# Altium PCB RT5728MainDriver20181215V0.01.PcbDoc (part 1 of 2)
Units mil, origin at the board's own origin, x right, y up, seen from the top; angles counter-clockwise.
Board outline 3464.57 x 2755.91 mil, 2 copper layers (Top Layer, Bottom Layer); 138 components, 73 nets, 341 pads, 541 vias.
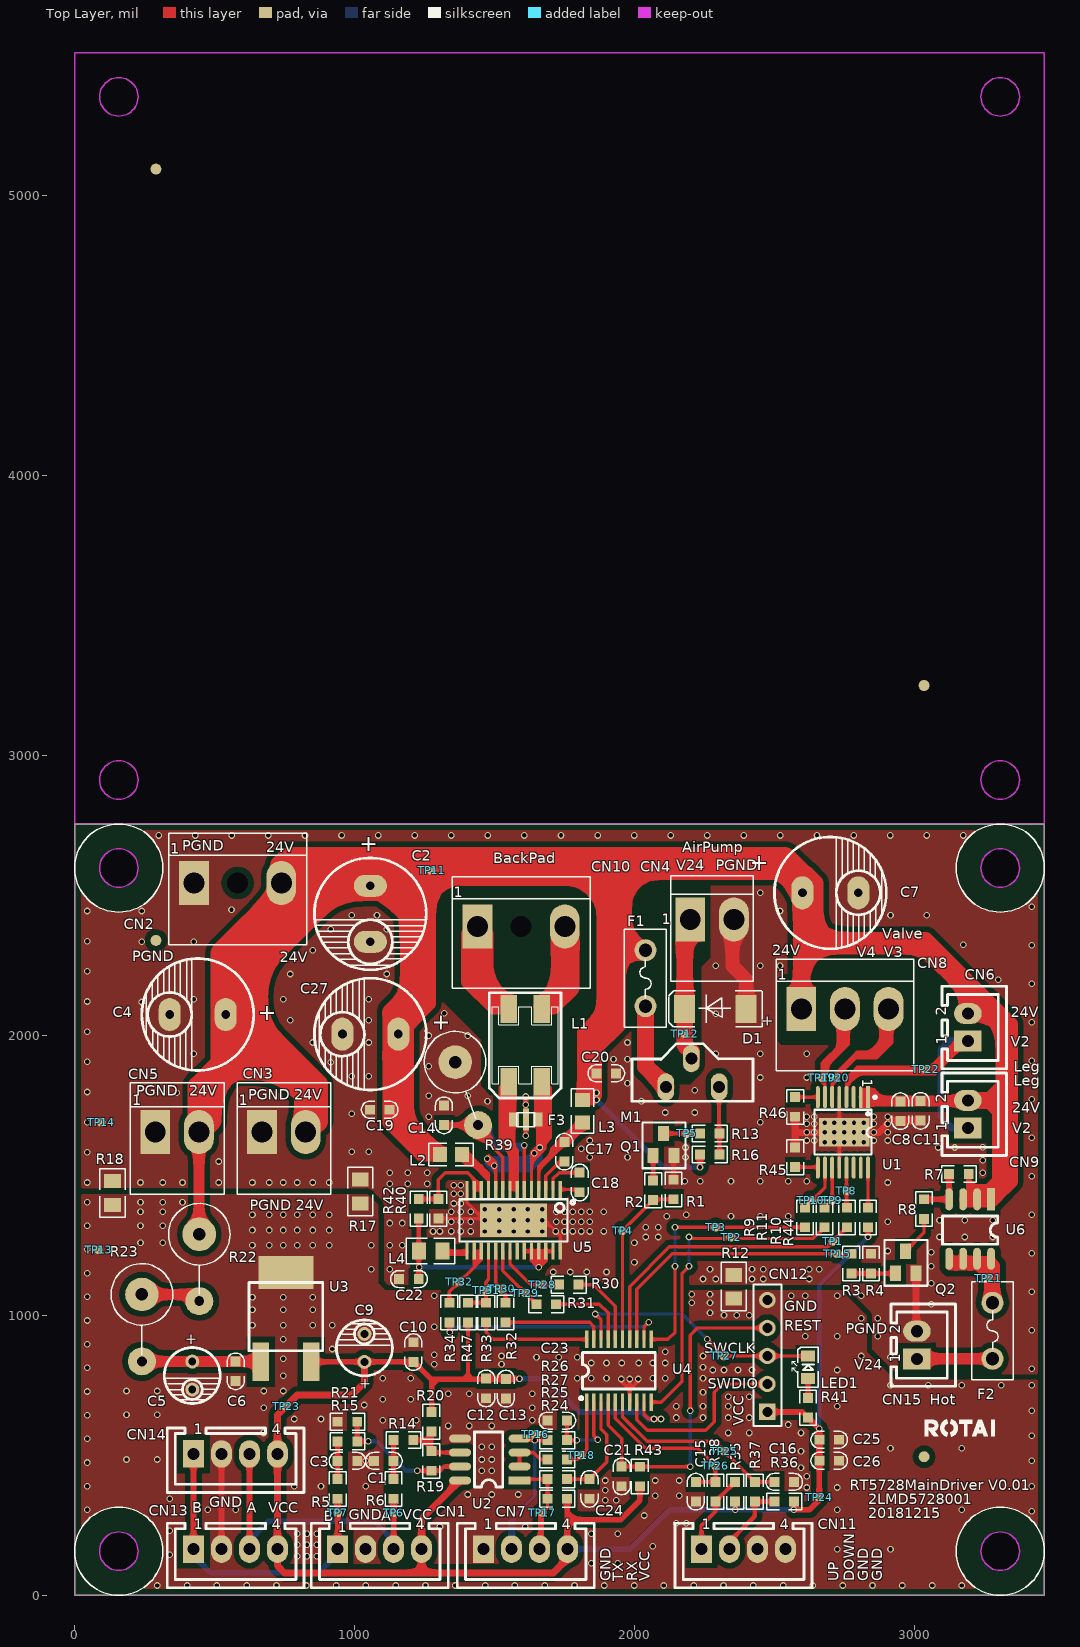
[diagram p0: Top Layer view]
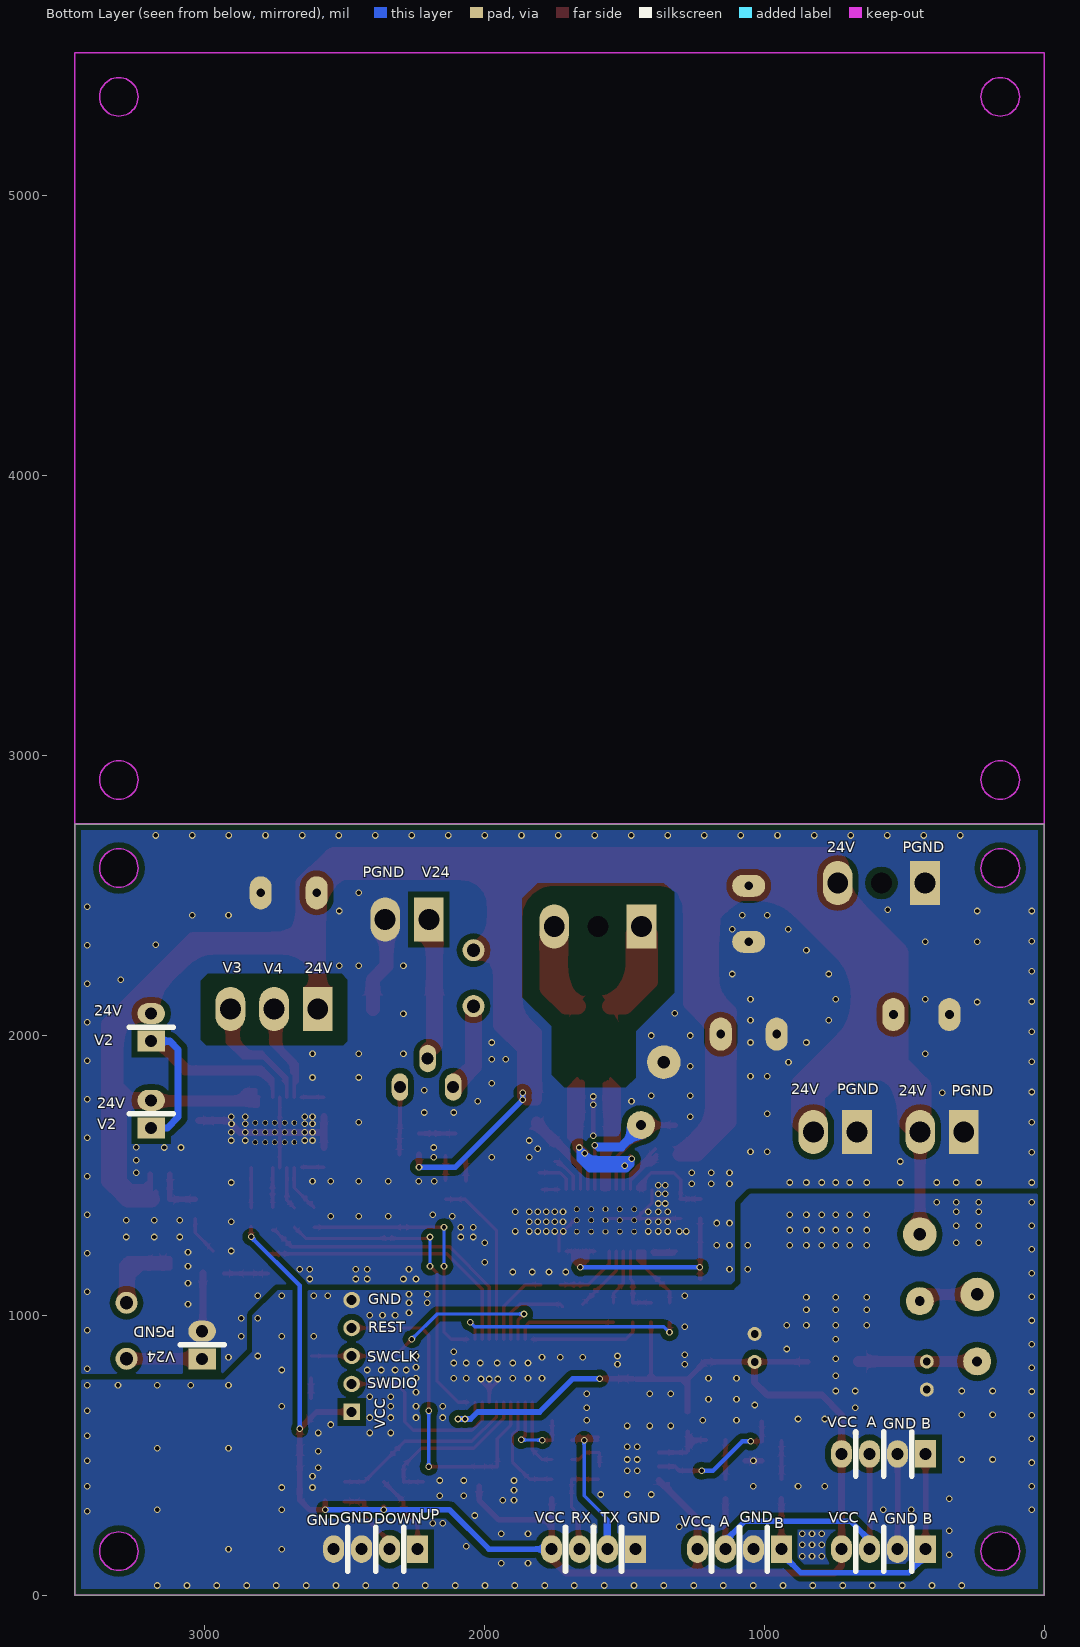
[diagram p1: Bottom Layer view, seen from below]

## Layer stack, top to bottom
Top Solder: solder mask 0.4, Solder Resist, Dk 3.5
Top Layer: signal copper 1.4
Dielectric 1: dielectric 12.6, FR-4, Dk 4.8
Bottom Layer: signal copper 1.4
Bottom Solder: solder mask 0.4, Solder Resist, Dk 3.5

## Board outline
0,0 3464.57,0 3464.57,2755.91 0,2755.91
cut-out: 157.48,2529.53 cw(c157.48,2598.43) 88.58,2598.43 cw(c157.48,2598.43) 157.48,2667.32 cw(c157.48,2598.43) 226.38,2598.43 cw(c157.48,2598.43)
cut-out: 3238.19,2598.43 ccw(c3307.09,2598.43) 3307.09,2529.53 ccw(c3307.09,2598.43) 3375.98,2598.43 ccw(c3307.09,2598.43) 3307.09,2667.32 ccw(c3307.09,2598.43)
cut-out: 3238.19,157.48 ccw(c3307.09,157.48) 3307.09,88.58 ccw(c3307.09,157.48) 3375.98,157.48 ccw(c3307.09,157.48) 3307.09,226.38 ccw(c3307.09,157.48)
cut-out: 88.58,157.48 ccw(c157.48,157.48) 157.48,88.58 ccw(c157.48,157.48) 226.38,157.48 ccw(c157.48,157.48) 157.48,226.38 ccw(c157.48,157.48)

## Design rules (kind name [scope] priority, off if disabled: settings)
Clearance PUTONG [INPolygon] p1: gap=20
Clearance ALL [All] p2: gap=10
ComponentClearance [(HasFootprint('Test Point'))] p1: gap=0 collisioncheckmode=3 verticalgap=0 showdistances=FALSE
ComponentClearance ComponentClearanceALL [All] p2: gap=10 collisioncheckmode=3 verticalgap=10 showdistances=FALSE
HoleToHoleClearance [IsVia] p1: gap=9 allowstackedmicrovias=TRUE
HoleToHoleClearance allll [All] p2: gap=10 allowstackedmicrovias=TRUE
MinimumSolderMaskSliver MinimumSolderMaskSliver_4 [InComponent('F3')] p1: minsoldermaskwidth=2
MinimumSolderMaskSliver MinimumSolderMaskSliver_3 [(HasFootprint('Test Point'))] p2: minsoldermaskwidth=2
MinimumSolderMaskSliver MinimumSolderMaskSliver_2 [InComponent('U1')] p3: minsoldermaskwidth=2
MinimumSolderMaskSliver MinimumSolderMaskSliver_1 [InComponent('U4')] p4: minsoldermaskwidth=5
MinimumSolderMaskSliver [InComponent('U5')] p5: minsoldermaskwidth=5
MinimumSolderMaskSliver MinimumSolderMaskSliverALL [All] p6: minsoldermaskwidth=10
PolygonConnect [All] p1: connectstyle=Direct reliefconductorwidth=10 reliefentries=4 polygonreliefangle="90 Angle" airgapwidth=10
RoutingVias [All] p1: holewidth=28 width=50 viastyle="Through Hole" minholewidth=28 minwidth=50 maxholewidth=28 maxwidth=50
SilkToSilkClearance [All] p1: silktosilkclearance=0
SilkToSolderMaskClearance [IsPad] p1: minsilkscreentomaskgap=0 clearancetoexposedcopper=TRUE
SolderMaskExpansion [All] p1: expansion=4
UnpouredPolygon [All] p1: allowunpoured=FALSE
Width [All] p1: maxlimit=100 minlimit=9 preferedwidth=10
24 further rules are at their usual default settings.

## Components (designator, comment, footprint, x,y, rotation, side; value= is the part's Value field where it differs from the comment)
C1 "100pF/10%/X7R/0603" 0603C 1139.37,480 r180 top
C2 "470uF/50V" RB.2/.4 1056.26,2535 r270 top
C3 "100pF/10%/X7R/0603" 0603C 1009.37,480 r180 top
C4 "470uF/50V" RB.2/.4 539.37,2075 r180 top
C5 "100uF/16V" RB.1/.2 420,835 r270 top
C6 "100nF/0603" 0603C 575,835 r270 top
C7 "470uF/50V" RB.2/.4 2600,2510 r0 top
C8 "100nF/0603" 0603C 2949.95,1764.85 r270 top
C9 "100uF/16V" RB.1/.2 1035,834 r90 top
C10 "100nF/0603" 0603C 1210,834 r90 top
C11 "100nF/0603" 0603C 3022.16,1766.11 r270 top
C12 "10uF/0603" 0603C 1470,704 r90 top
C13 "100nF/0603" 0603C 1540.75,773.5 r270 top
C14 "10uF/0603" 0603C 1319.37,1680 r90 top
C15 "10nF/0603" 0603C 2219.37,335 r90 top
C16 "10nF/0603" 0603C 2570,405 r180 top
C17 "100nF/0603" 0603C 1749.37,1620 r270 top
C18 "103/0603" 0603C 1804.37,1510 r270 top
C19 "100nF/0603" 0603C 1124.37,1735 r180 top
C20 "100nF/0603" 0603C 1864.37,1865 r0 top
C21 "10uF/0603" 0603C 1954.37,389.56 r90 top
C22 "1uF/0603" 0603C 1229.37,1130 r180 top
C23 "30pF/0603" 0603C 1759.37,624.25 r180 top
C24 "30pF/0603" 0603C 1839.37,345 r90 top
C25 "100nF/0603" 0603C 2660.49,555.75 r0 top
C26 "100nF/0603" 0603C 2660.49,480.75 r0 top
C27 "470uF/50V" RB.2/.4 1156.26,2005 r180 top
CN1 "485通讯" HA-4A 939.37,165 r0 top
CN2 "24V输入" "VH-3A2Z - red" 426.26,2545 r0 top
CN3 "24V输出" "VH-2 - RED" 669.37,1655 r0 top
CN4 "气泵(白色)" VH-2 2199.37,2415 r0 top
CN5 "24V输出" "VH-2 - RED" 287.8,1655 r0 top
CN6 "小腿震动" HA-2A 3191.26,1980 r90 top
CN7 "串口通讯" HA-4A 1460.91,165 r0 top
CN8 "气阀" "VH-3 - white" 2596.26,2095 r0 top locked
CN9 "小腿震动" HA-2A 3191.26,1670 r90 top
CN10 "电动缸" "VH-3A2Z - white" 1439.37,2390 r0 top
CN11 "电动缸限位" HA-4A 2239.37,165 r0 top
CN12 "烧录" SIP5 2475,655 r90 top
CN13 "485通讯" HA-4A 424.37,165 r0 top
CN14 "485通讯" HA-4A 424.37,505 r0 top
CN15 "加热" HA-2A 3009.37,845 r90 top
D1 "M7A/A-SMA" A-SMA 2399.37,2095 r180 top
F1 "PTCKT30-1350b-F" FRAD0.2 2039.37,2305 r270 top
F2 "PTCKT30-1350b-F" FRAD0.2 3279.37,845 r90 top
F3 "101X15W103MV4T" 0805-X2Y 1569.37,1700 r0 top
L1 "TLDCM7161-2-501TF" L-TLDCM7161 1609.37,1965 r90 top
L2 "600A50T" 0805L 1384.37,1575 r180 top
L3 "600A50T" 0805L 1814.37,1690 r90 top
L4 "FBM-10-201209-751T" 0805 1314.37,1230 r180 top
LED1 "红色/0805" LED0805 2620,815 r90 top
M1 "IRF9530" TO-220AB 2204.37,1665 r180 top locked
Q1 "MMBT3904" SOT-23B 2104.37,1650 r0 top locked
Q2 "MMBT3904" SOT-23B 2969.37,1230 r0 top
R1 "33KΩ/0603/5%" 0603 2139.37,1415 r90 top
R2 "1KΩ/0603/5%" 0603 2066.73,1412.36 r90 top
R3 "1KΩ/0603/5%" 0603 2775,1220 r270 top
R4 "33K/0603" 0603 2845,1220 r270 top
R5 "10Ω/5%/0603" 0603 939.37,345 r90 top
R6 "10Ω/5%/0603" 0603 1139.37,345 r90 top
R7 "33K/0603" 0603 3124.37,1505 r0 top
R8 "33K/0603" 0603 3034.37,1345 r90 top
R9 "1KΩ/0603/5%" 0603 2609.37,1315 r90 top
R10 "1KΩ/0603/5%" 0603 2759.37,1315 r90 top
R11 "1KΩ/0603/5%" 0603 2679.37,1315 r90 top
R12 "0Ω/0805" 0805 2355,1060 r90 top
R13 "4.7KΩ/0603/5%" 0603 2304.37,1650 r180 top
R14 "10Ω/5%/0603" 0603 1139.37,555 r0 top
R15 "10Ω/5%/0603" 0603 939.37,550 r0 top
R16 "4.7KΩ/0603/5%" 0603 2304.37,1575 r180 top
R17 "0Ω/0805" 0805 1020,1400 r90 top
R18 "0Ω/0805" 0805 135,1395 r90 top
R19 "100Ω/5%/0603" 0603 1274.37,445 r90 top
R20 "33KΩ/0603/5%" 0603 1274.37,585 r90 top
R21 "33KΩ/0603/5%" 0603 939.37,620 r0 top
R22 "47Ω/2W" 2W-SMALL 445,1290 r270 top
R23 "47Ω/2W" 2W-SMALL 240,1075 r270 top
R24 "10KΩ/0603/5%" 0603 1759.37,345 r180 top
R25 "1KΩ/0603/5%" 0603 1689.37,415 r0 top
R26 "1KΩ/0603/5%" 0603 1688.93,554.25 r0 top
R27 "1KΩ/0603/5%" 0603 1689.37,485 r0 top
R30 "1KΩ/0603/5%" 0603 1730,1110 r0 top
R31 "1KΩ/0603/5%" 0603 1650,1040 r0 top
R32 "1KΩ/0603/5%" 0603 1539.37,1045 r270 top
R33 "1KΩ/0603/5%" 0603 1470.12,1045.44 r270 top
R34 "1KΩ/0603/5%" 0603 1338.73,1044.96 r270 top
R35 "33K/0603" 0603 2360,405 r270 top
R36 "33K/0603" 0603 2500,335 r0 top
R37 "1KΩ/0603/5%" 0603 2430,335 r90 top
R38 "1KΩ/0603/5%" 0603 2289.37,335 r90 top
R39 "0.1Ω/2W" 2W-SMALL 1359.37,1905 r290 top
R40 "33KΩ/0603/5%" 0603 1299.37,1346.1 r90 top
R41 "10KΩ/0603/5%" 0603 2620,635 r90 top
R42 "10KΩ/0603/5%" 0603 1229.37,1346.1 r90 top
R43 "10KΩ/0603/5%" 0603 2019.37,389.56 r90 top
R44 "10KΩ/0603/5%" 0603 2834.37,1385 r270 top
R45 "10KΩ/0603/5%" 0603 2574.37,1600 r270 top
R46 "10KΩ/0603/5%" 0603 2574.37,1710 r90 top
R47 "10KΩ/0603/5%" 0603 1405,1045 r270 top
TP1 "TP" "Test Point" 2709.37,1265 r90 top
TP2 "TP" "Test Point" 2345,1280 r90 top
TP3 "TP" "Test Point" 2290,1315 r90 top
TP4 "TP" "Test Point" 1957.32,1302.95 r90 top
TP5 "TP" "Test Point" 2186.37,1650 r90 top
TP6 "TP" "Test Point" 1140,295 r90 top
TP7 "TP" "Test Point" 939.37,295 r90 top
TP8 "TP" "Test Point" 2757.6,1445 r90 top
TP9 "TP" "Test Point" 2706.42,1412.05 r90 top
TP10 "TP" "Test Point" 2630,1412 r90 top
TP11 "TP" "Test Point" 1275,2590 r90 top
TP12 "TP" "Test Point" 2179.37,2007 r90 top
TP13 "TP" "Test Point" 85,1235 r90 top
TP14 "TP" "Test Point" 95,1690 r90 top
TP15 "TP" "Test Point" 2725,1220 r90 top
TP16 "TP" "Test Point" 1645,575 r90 top
TP17 "TP" "Test Point" 1670,295.63 r90 top
TP18 "TP" "Test Point" 1810,500 r90 top
TP19 "TP" "Test Point" 2670,1850 r90 top
TP20 "TP" "Test Point" 2720,1848.58 r90 top
TP21 "TP" "Test Point" 3264.37,1132.4 r90 top
TP22 "TP" "Test Point" 3040,1880 r90 top
TP23 "TP" "Test Point" 755,675 r90 top
TP24 "TP" "Test Point" 2660,350 r90 top
TP25 "TP" "Test Point" 2320,515 r90 top
TP26 "TP" "Test Point" 2289.37,463 r90 top
TP27 "TP" "Test Point" 2320,855 r90 top
TP28 "TP" "Test Point" 1670,1110 r90 top
TP29 "TP" "Test Point" 1610,1080 r90 top
TP30 "TP" "Test Point" 1525,1094.37 r90 top
TP31 "TP" "Test Point" 1470,1090 r90 top
TP32 "TP" "Test Point" 1374.37,1120 r90 top
U1 "PWM输入4通道低侧驱动器DRV8803" PWP16 2834.37,1780 r270 top locked
U2 "MAX3085E" SOP8 1589.37,410 r180 top
U3 "LM7805" TO-252 665,834 r0 top
U4 "N76E003" TSSOP20 1829.37,690 r90 top
U5 "电流控制单H桥有刷马达驱动集成电路DRV8840" PWP28 1734.37,1450 r180 top
U6 "CJQ60Q05" SOP8 3274.37,1415 r270 top
? "LOGO" LOGO 3035,570 r0 top

## Footprints (in the part's own frame and the unit in brackets; to place one, negate y for a bottom-side part, rotate by r counter-clockwise, add the part's x,y. Pads: shape width x height; smd on the part's side, far side on the other; paste and mask are expansions set on the pad)
2W-SMALL [mil]
  round 120 hole 45: 1(0,0)
  round 100 hole 35.43: 2(239.21,0)
  silkscreen extent -110,-110 215,110, body extent -90,-98 222,99, height 799
0603 [mil]
  rect 35x35.43 smd: 1(0,0) 2(70,0)
  silkscreen extent -27,-30 97,30, body extent 2,-16 69,16, height 22
0603C [mm]
  rect 0.9x0.9 smd: 1(0,0) 2(1.778,0)
  silkscreen extent -0.77,-0.77 2.55,0.77, body extent 0.11,-0.4 1.71,0.4, height 0.3
0805 [mil]
  rect 50x60 smd: 1(0,0) 2(85,0)
  silkscreen extent -44,-45 129,45, body extent -3,-27 87,27, height 30
0805-X2Y [mm]
  rect 0.89x1.27 smd: 1(0,0) 2(2.16,0)
  rect 0.55x2.03 smd: 3(1.08,0)
  silkscreen extent 0.25,-0.64 1.91,0.64, body extent 0.08,-0.63 2.08,0.63, height 0.78
0805L [mil]
  rect 50x55 smd: 1(0,0) 2(80,0)
  silkscreen extent -40,-40 120,40, body extent 1,-24 79,24, height 32
A-SMA [mil]
  rect 75x100 smd: A(0,0) K(220,0)
  silkscreen extent -58,-64 276,64, body extent 8,-51 212,51, height 95
FRAD0.2 [mm]
  round 2 hole 1.2: 1(0,0) 2(5.08,0)
  silkscreen extent -1.9,-1.91 6.99,1.9, body extent -1.16,-0.89 6.24,0.81, height 16.5
HA-2A [mm]
  rect 1.905x2.5 hole 1.092: 1(0,0)
  oval 1.905x2.5 hole 1.092: 2(2.5,0)
  silkscreen extent -2.5,-3.5 4.98,2.35, body extent -2.45,-3.33 4.95,2.42, height 7
HA-4A [mm]
  rect 1.905x2.5 hole 1.092: 1(0,0)
  oval 1.905x2.5 hole 1.092: 2(2.54,0) 3(5.08,0) 4(7.62,0)
  silkscreen extent -2.39,-3.5 10.04,2.35, body extent -2.4,-3.33 10,2.43, height 7
L-TLDCM7161 [mm]
  rect 2.5x1.5 smd: 1(-3.3,-1.5) 2(-3.3,1.5) 3(3.3,1.5) 4(3.3,-1.5)
  silkscreen extent -4.78,-3.25 4.78,3.25, body extent -3.5,-3 3.5,3, height 3.5
LED0805 [mil]
  rect 40x50 smd: A(-40,0) K(40,0)
  silkscreen extent -72,-36 72,57, body extent -40,-25 40,25, height 43
LOGO [mil]
  silkscreen extent 2,-1 252,58
PWP16 [mm]
  rect 2x0.35 smd: 1(0,0)
  oval 2x0.35 smd: 2(0,-0.65) 3(0,-1.3) 4(0,-1.95) 5(0,-2.6) 6(0,-3.25) 7(0,-3.9) 8(0,-4.55) 9(6.4,-4.55) 10(6.4,-3.9) 11(6.4,-3.25) 12(6.4,-2.6) 13(6.4,-1.95) 14(6.4,-1.3) 15(6.4,-0.65) 16(6.4,0)
  rect 2.6x4.572 smd: 12(3.2,-2.159)
  silkscreen extent -0.13,-4.86 5.21,0.76, body extent -0.7,-5.38 7.1,0.82
PWP28 [mm]
  rect 0.3x1.55 smd: 1(0,0) 2(0.65,0) 3(1.3,0) 4(1.95,0) 5(2.6,0) 6(3.25,0) 7(3.9,0) 8(4.55,0) 9(5.2,0) 10(5.85,0) 11(6.5,0) 12(7.15,0) 13(7.8,0) 14(8.45,0) 15(8.45,5.6) 16(7.8,5.6) 17(7.15,5.6) 18(6.5,5.6) 19(5.85,5.6) 20(5.2,5.6) 21(4.55,5.6) 22(3.9,5.6) 23(3.25,5.6) 24(2.6,5.6) 25(1.95,5.6) 26(1.3,5.6) 27(0.65,5.6) 28(0,5.6)
  rect 6.096x3.048 smd: 28(4.225,2.8)
  silkscreen extent -1.33,0.89 9.13,4.71, body extent -0.67,-0.51 9.12,6.11, height 1.2
RB.1/.2 [mil]
  round 50 hole 28: 1(0,0) 2(100,0)
  silkscreen extent -50,-100 150,100, body extent -49,-99 147,97, height 433
RB.2/.4 [mm]
  oval 2x3 hole 0.8: 1(0,0) 2(5.08,0)
  silkscreen extent -2.54,-5.08 7.62,5.08, body extent -2.41,-5.08 7.64,4.97, height 20.53
SIP5 [mm]
  rect 1.5x1.5 hole 0.9: 1(0,0)
  round 1.5 hole 0.9: 2(2.54,0) 3(5.08,0) 4(7.62,0) 5(10.16,0)
  silkscreen extent -1.27,-1.27 11.56,1.27, body extent -1.22,-1.46 11.48,1.46, height 8.51
SOP8 [mm]
  rect 2x0.7 smd: 1(0,0)
  oval 2x0.7 smd: 2(0,-1.27) 3(0,-2.54) 4(0,-3.81) 5(5.4,-3.81) 6(5.4,-2.54) 7(5.4,-1.27) 8(5.4,0)
  silkscreen extent 1.52,-4.42 4.09,0.6, body extent -0.32,-4.41 5.72,0.61, height 1.6
SOT-23B [mm]
  rect 1x1.4 smd: B(-0.95,-2) C(0,0) E(0.95,-2)
  silkscreen extent -1.93,-3.15 1.98,0.99, body extent -1.5,-2.34 1.5,0.16, height 1.05
"Test Point" [mm]
  round 0.8 smd: 1(0,0)
TO-220AB [mil]
  oval 59.05x98.42 hole 43: D(1,-253) S(92,-151)
  oval 59.06x98.42 hole 43: G(-98,-151)
  silkscreen extent -220,-306 214,-100, body extent -208,-359 202,-33, height 98
TO-252 [mm]
  rect 1.524x3.5 smd: 1(0,0) 3(4.57,0)
  rect 5x3 smd: 2(2.27,8.125)
  silkscreen extent -1.08,1 5.62,7.2, body extent -0.98,-1.7 5.56,8.24, height 2.39
TSSOP20 [mm]
  rect 1.6x0.3 smd: 1(0,0) 2(0,-0.65) 3(0,-1.3) 4(0,-1.95) 5(0,-2.6) 6(0,-3.25) 7(0,-3.9) 8(0,-4.55) 9(0,-5.2) 10(0,-5.85) 11(5.7,-5.85) 12(5.7,-5.2) 13(5.7,-4.55) 14(5.7,-3.9) 15(5.7,-3.25) 16(5.7,-2.6) 17(5.7,-1.95) 18(5.7,-1.3) 19(5.7,-0.65) 20(5.7,0)
  silkscreen extent 0.21,-6.23 4.5,0.66, body extent -0.45,-6.23 6.15,0.37, height 1.2
VH-2 [mm]
  rect 2.7x4 hole 1.9: 1(0,0)
  oval 2.7x4 hole 1.9: 2(3.96,0)
  silkscreen extent -1.78,-5.62 5.74,3.98, body extent -1.92,-4.63 5.94,3.87, height 10.9
"VH-2 - RED" [mm]
  rect 2.7x4 hole 1.9: 1(0,0)
  oval 2.7x4 hole 1.9: 2(3.96,0)
  silkscreen extent -2.25,-5.62 6.25,4.5, body extent -2,-5.54 6,2.97, height 10.64
"VH-3 - white" [mm]
  rect 2.7x4 hole 1.9: 1(0,0)
  oval 2.7x4 hole 1.9: 2(3.96,0) 3(7.92,0)
  silkscreen extent -2.29,-5.62 10.21,4.5, body extent -2.04,-5.54 9.96,2.98, height 10.64
"VH-3A2Z - red" [mm]
  rect 2.7x4 hole 1.9: 1(0,0)
  round 0 hole 1.9: 2(3.96,0)
  oval 2.7x4 hole 1.9: 3(7.92,0)
  silkscreen extent -2.29,-5.62 10.21,4.5, body extent -2.04,-5.54 9.96,2.98, height 10.64
"VH-3A2Z - white" [mm]
  rect 2.7x4 hole 1.9: 1(0,0)
  round 0 hole 1.9: 2(3.96,0)
  oval 2.7x4 hole 1.9: 3(7.92,0)
  silkscreen extent -2.29,-5.62 10.21,4.5, body extent -2.04,-5.54 9.96,2.98, height 10.64

## Part data
C1 C3: library part 贴片电容100pF/(10%)X7R/0603封装/环保
C2 C4 C7 C27: library part 电解电容470uF/50V/10*20/编带/环保
C5 C9: library part 电解电容100uF/16V/5*11/编带/环保
C6 C8 C10 C11 C13 C17 C19 C20 C25 C26: library part 贴片电容100nF（104M）/50V/0603封装/10%/X7R/环保
C12 C14 C21: library part 贴片电容106/10uF/6.3V/0603封装/10%/X5R/环保
C15 C16: library part C0603/10nF
C18: library part 贴片电容103/(10%)/X7R/0603封装/环保
C22: library part 贴片电容105M/1uF/16V/0603封装/20%/X5R/环保
C23 C24: library part 贴片电容30pF/50V/0603封装/5%/NPO/环保
CN1: library part 带勾小直脚HA-4A(红色)/环保
CN2: library part 大直脚VH-3A2Z(红色)/环保
CN3 CN5: library part 大直脚VH-2A(红色)/环保
CN4: library part 大直脚VH-2A(白色)/环保
CN6 CN9: library part 带勾小直脚HA-2A(白色)/环保
CN7: library part 带勾小直脚HA-4A(蓝色)/环保
CN8: library part 大直脚VH-3A(白色)/环保
CN10: library part 大直脚VH-3A2Z(白色)/环保
CN11: library part 带勾小直脚HA-4A(白色)/环保
CN12: library part 单排5芯直脚排针/2.54间距, "2.54间距"
CN13: library part 带勾小直脚HA-4A(黑色)/环保
CN14: library part 带勾小直脚HA-4A(黄色)/环保
CN15: library part 带勾小直脚HA-2A(红色)/环保
D1: library part 贴片二极管M7A/A-SMA封装/环保
F1 F2: library part 自恢复保险PTCKT30-1350b-F/环保
F3: library part X2Y电容101X15W103MV4T
L1: library part 共模电感/TLDCM7161-2-501TF/环保
L2 L3: library part 贴片磁珠/FBMA-11-201209-600A50T/0805A封装/环保/EMC
L4: library part 贴片磁珠/FBM-10-201209-751T/0805封装/环保
LED1: library part 贴片发光二极管红色/0805封装/H2012AV22D0C03/环保
M1: library part 场效应管(MOS管)IRF9530/环保
Q1 Q2: library part 贴片三极管1AM/MMBT3904/sot-23封装环保
R1 R20 R21 R40: library part 贴片电阻33K/(5%)/0603封装/环保
R2 R3 R9 R10 R11 R25 R26 R27 R30 R31 R32 R33 R34 R37 R38: library part 贴片电阻1K/(5%)/0603封装/环保
R4 R7 R8 R35 R36: library part R0603/33K
R5 R6 R14 R15: library part 贴片电阻10Ω/精度5%/0603
R12 R17 R18: library part 贴片电阻0Ω/0805封装/环保
R13 R16: library part 贴片电阻4.7K/(5%)/0603封装/环保
R19: library part 贴片电阻100Ω/(5%)0603
R22 R23: library part 电阻47Ω/2W/环保
R24 R41 R42 R43 R44 R45 R46 R47: library part 贴片电阻10kΩ/(5%)0603封装/环保
R39: library part 绕线电阻0.1Ω/2W/环保
U2: library part 贴片集成块MAX3085E
U3: library part 贴片三端稳压管LM7805/环保
U4: library part 单片机/新唐-N76E003/TSSOP-20封装/环保
U6: library part AO4441, "P沟道MOS管"
?: library part ROTAI_LOGO

## Free pads (board coordinates)
  round 39.37 smd: 0(3035,3250.91) 0(3035,495) 1(290,5095.91) 1(290,2340)

## Via types
v1: diameter 23.62, hole 15.75, Top Layer to Bottom Layer, tented both sides, 511 vias
v2: diameter 19.68, hole 15.75, Top Layer to Bottom Layer, tented both sides, 30 vias

## Nets (pads, with @x,y where several pads share a name; then routed paths per layer and width w, separated by ;. In a path a pad name is that pad's centre, name@x,y a point inside that pad or via, vN(x,y) a via of type N, cw(c..) or ccw(c..) an arc to the next point about the centre after c; other vN are vias at no path point)
485A: R14.2 R19.2 R20.1 U2.6 | length 331.4
  Top Layer w15: R14.2@1209.37,555 1244.37,555 ; R19.2@1274.37,515 R19.2@1274.37,525 ; R20.1@1274.37,585 R20.1@1274.37,575 ; R19.2@1279.37,510 U2.6@1376.77,510 ; 1244.37,555 R19.2@1274.37,525 ; 1244.37,555 1254.37,555 ; 1254.37,555 R20.1@1274.37,575 ; 1254.37,555 1274.37,555 ; 1254.37,555 1274.37,535 ; R19.2@1274.37,525 1274.37,535 ; 1274.37,535 1274.37,555 ; 1274.37,555 R20.1@1274.37,575
485B: R15.2 R19.1 R21.2 U2.7 | length 487.1
  Top Layer w15: R21.2@1009.37,620 R15.2@1009.37,550 v1(1049.37,550) ; v1(1224.37,445) R19.1@1274.37,445 1304.37,445 1319.37,460 U2.7@1376.77,460
  Bottom Layer w15: v1(1049.37,550) 1079.37,550 1184.37,445 v1(1224.37,445)
A: CN1.3 CN13.3 CN14.3 R6.1 TP6.1 | length 1154.7
  Top Layer w20: CN13.3@624.37,165 CN14.3@624.37,505 ; CN1.3@1139.37,165 R6.1@1139.37,345
  Bottom Layer w20: CN13.3@624.37,165 624.37,197.21 692.16,265 1070,265 1139.37,195.63 CN1.3@1139.37,165
AIRPUMP: R1.1 R2.1 TP4.1 U4.15 | length 613.3
  Top Layer w12: U4.15@1957.32,914.41 TP4.1@1957.32,1302.95 R2.1@2066.73,1412.36 ; R2.1@2069.37,1415 R1.1@2139.37,1415
B: CN1.1 CN13.1 CN14.1 R5.1 TP7.1 | length 1128.8
  Top Layer w20: CN13.1@424.37,165 CN14.1@424.37,505 ; CN1.1@939.37,165 R5.1@939.37,345
  Bottom Layer w20: CN13.1@424.37,165 424.37,140.63 485,80 870,80 939.37,149.37 CN1.1@939.37,165
BACKPADDOWNSW: C16.2 R37.2 TP25.1 U4.6 | length 691.1
  Top Layer w12: U4.6@1957.32,690 1957.32,638.16 2045.48,550 2285,550 R37.2@2430,405 C16.2@2500,405
BACKPADUPSW: C15.2 R38.2 TP26.1 U4.5 | length 614.1
  Top Layer w12: U4.5@1931.73,690 1931.73,632.64 2039.37,525 2227,525 2289.37,462.63 R38.2@2289.37,403.9 ; C15.2@2219.37,405 R38.2@2289.37,405
GND: C1.2 C3.1 C5.2 C6.2 C9.2 C10.2 C12.1 C13.2 C15.1 C16.1 C21.1 C23.2 C24.1 C25.2 C26.2 CN1.2 CN7.1 CN11.3 CN11.4 CN12.5 CN13.2 CN14.2 R12.1 R17.1 R18.1 R21.1 TP13.1 U2.5 U3.2 U4.7 | length 583.6
  Top Layer w12: v1(1952.91,772.91) 1952.91,765 1982.91,735 ; U4.7@1982.91,690 1982.91,735 ; v1(1982.91,772.91) 1982.91,735 ; v1(2012.91,772.91) 2012.91,765 1982.91,735
  Top Layer w20: CN13.2@524.37,165 CN14.2@524.37,505 ; C3.1@1009.37,480 C1.2@1069.37,480
  other v1: 295,35 401.48,35 507.96,35 614.44,35 720.93,35 827.41,35 933.89,35 1040.37,35 1146.85,35 1253.33,35 1359.81,35 1466.3,35 1572.78,35 1679.26,35 1785.74,35 1892.22,35 1998.7,35 2105.18,35 2211.67,35 2318.15,35 2424.63,35 2531.11,35 2637.59,35 2744.07,35 2850.55,35 2957.03,35 3063.52,35 3170,35 1845,115 1940,115 795.51,140 830,140 865,140 340,145 2725,165 2915,165 2065,175 795.51,180 830,180 865,180 795.51,220 830,220 865,220 1845,220 1940,220 340,230 1305,245 1610,245 2150,257.52 2185,257.52 2035,285 3420,300 45,305 475,305 575,305 2725,305 3170,305 1895,340 1935,340 340,345 2075,355 2160,355 1405,360 1490,360 1585,360 1895,375 2615,385 2725,385 45,389.62 785,390 880,390 1040,390 3420,390 1895,410 2075,410 2160,410 2615,425 1455,445 1490,445 2595,455 45,474.23 1039.37,480 3420,480 185,485 295,485 1455,485 1490,485 2595,515 2915,525 3170,525 1455,530 1490,530 45,558.85 3420,570 674.37,580 2335,580 2410,580 2595,580 1335,605 1410,605 1490,605 2550,610 1100,625 1220,625 1635,625 785,630 880,630 2150,635 2245,635 2335,635 2410,635 45,643.46 185,645 295,645 3420,660 675,670 1635,670 2150,675 2245,675 2335,675 2725,675 1035,680 1100,700 1200,700 2335,710 2410,710 1335,720 1410,720 1635,720 2245,725 45,728.08 185,730 295,730 675,730 745,730 2915,750 3050,750 3170,750 3310,750 3420,750 1100,775 1200,775 1795,775 1845,775 1900,775 2065,775 2110,775 2245,775 745,785 2280,805 2320,805 2370,805 2420,805 2725,805 45,812.69 2245,815 1285,825 1525,825 1845,830 1900,830 1955,830 2015,830 2065,830 2110,830 745,845 1650,850 1730,850 1795,850 1525,855 2245,855 2810,855 1285,860 2110,870 920,880 45,897.31 745,915 2610,925 2725,925 1285,960 635,965 745,965 850,965 920,965 45,981.92 2810,990 2320,1000 2365,1000 2410,1000 2270,1010 635,1020 745,1020 850,1020 2205,1045 2270,1045 635,1065 745,1065 850,1065 45,1066.54 1285,1070 2560,1070 2610,1070 2725,1070 2205,1075 2270,1075 45,1151.15 1060,1165 45,1235.77 635,1250 695,1250 745,1250 795,1250 850,1250 910,1250 1060,1250 235,1260 315,1260 635,1305 695,1305 745,1305 795,1305 850,1305 910,1305 45,1320.38 235,1320 315,1320 635,1360 695,1360 745,1360 795,1360 850,1360 910,1360 235,1370 315,1370 45,1405 235,1405 315,1405 385,1405
HOT: R3.1 TP15.1 U4.13 | length 998
  Top Layer w12: U4.13@2008.5,914.41 2008.5,1093.5 2135,1220 R3.1@2775,1220
KNEAD_DECAY: R32.2 U4.19 | length 367.4
  Top Layer w12: R32.2@1539.37,975 1840,975 1854.96,960.04 U4.19@1854.96,914.41
KNEAD_ENBL: R30.2 U4.16 | length 282
  Top Layer w12: R30.2@1800,1110 1854.37,1110 1931.73,1032.64 U4.16@1931.73,914.41
KNEAD_FAULT: R33.2 U4.20 | length 405.4
  Top Layer w12: R33.2@1470.12,975.44 1470.12,939.88 1495.59,914.41 U4.20@1829.37,914.41
KNEAD_PHASE: R31.2 U4.17 | length 297.6
  Top Layer w12: R31.2@1720,1030 1730,1040 1875,1040 1906.14,1008.86 U4.17@1906.14,914.41
KNEAD_RESET: R34.2 U4.12 | length 830.4
  Top Layer w12: U4.12@2034.09,914.41 2034.09,959.09 v1(2051,976)
  Top Layer w15: R34.2@1338.73,974.96 1339.37,974.32 v1(1339.37,940)
  Bottom Layer w12: v1(1339.37,940) 1359.37,960 2035,960 v1(2051,976)
KNEADDECAY: R32.1 TP30.1 U5.19 | length 199.2
  Top Layer w12: U5.19@1504.05,1229.53 1504.05,1115.31 1539.37,1080 R32.1@1539.37,1045
KNEADENBL: R30.1 TP28.1 U5.21 | length 250.9
  Top Layer w12: U5.21@1555.24,1229.53 1555.24,1184.13 1629.37,1110 R30.1@1730,1110
KNEADFAULT: R33.1 R47.1 TP31.1 U5.18 | length 252.8
  Top Layer w12: R47.1@1405,1045 1405.44,1045.44 R33.1@1470.12,1045.44 1470.12,1120.75 1478.46,1129.09 U5.18@1478.46,1229.53
KNEADOUT: F3.1 L1.2 U5.7 U5.8 | length 2339.9
  Top Layer w12: L1.2@1550.31,1845.08 L1.2@1549.37,1844.13 ; L1.2@1559.37,1836.02 1559.37,1610 1569.37,1600 ; 1569.37,1453.23 1569.37,1600 ; 1569.37,1735 F3.1@1569.37,1700 1569.37,1600 ; 1519.37,1625 1529.37,1615 ; 1519.37,1625 1519.37,1814.13 L1.2@1529.37,1824.13 ; 1519.37,1625 1519.37,1615.87 1555.24,1580 ; 1529.37,1615 L1.2@1529.37,1824.13 ; 1529.37,1615 1555.24,1589.13 1555.24,1580 ; L1.2@1529.37,1824.13 L1.2@1534.37,1829.13 ; L1.2@1534.37,1829.13 1534.37,1620 1541.87,1612.5 ; L1.2@1534.37,1829.13 L1.2@1541.87,1836.63 ; 1541.87,1612.5 1549.37,1605 ; 1541.87,1612.5 L1.2@1541.87,1836.63 ; L1.2@1541.87,1836.63 L1.2@1549.37,1844.13 ; 1549.37,1605 1564.37,1590 1564.37,1450 ; 1549.37,1605 L1.2@1549.37,1844.13 ; 1555.24,1580 U5.8@1555.24,1450 1564.37,1450 ; 1564.37,1450 U5.7@1580.83,1450 1580.83,1588.54 1569.37,1600
  Top Layer w20: 1569.37,1735 L1.2@1569.37,1826.02
KNEADOUT1: F3.2 L1.1 U5.5 U5.10 | length 2904.6
  Top Layer w12: v1(1474.37,1560) v1@1469.37,1555 ; v1@1474.37,1566.09 1479.37,1571.09 1504.05,1546.41 v1@1504.05,1534.69 ; U5.10@1504.05,1450 1504.05,1520.31 ; U5.5@1632.01,1450 1632.01,1547.64 ; F3.2@1654.41,1700 v1@1654.41,1604.76 ; v1@1664.37,1592.36 1654.41,1582.4 ; v1@1664.37,1602.36 v1(1662.01,1600) v1@1654.41,1592.4 ; L1.1@1664.37,1841.02 1664.37,1614.72 v1@1654.41,1604.76 ; L1.1@1668.43,1845.08 L1.1@1679.37,1834.13 ; L1.1@1669.37,1836.02 1669.37,1585 ; v1@1469.37,1555 1504.05,1520.31 ; v1@1469.37,1555 1483.74,1555 1493.74,1545 v1@1504.05,1534.69 ; 1504.05,1520.31 v1@1504.05,1534.69 ; 1632.01,1547.64 1654.41,1570.04 ; 1632.01,1547.64 1632.01,1560 ; 1632.01,1560 1654.41,1582.4 ; 1632.01,1560 1632.01,1570 ; 1632.01,1570 1632.01,1582.36 v1@1654.41,1604.76 ; 1632.01,1570 v1(1642.01,1580) v1@1654.41,1592.4 ; 1654.41,1570.04 1654.41,1582.4 ; 1654.41,1570.04 1669.37,1585 ; 1654.41,1582.4 v1@1654.41,1592.4 ; v1@1654.41,1592.4 v1@1654.41,1604.76 ; 1669.37,1585 1679.37,1595 1679.37,1615 ; 1679.37,1615 1689.37,1625 ; 1679.37,1615 L1.1@1679.37,1834.13 ; L1.1@1679.37,1834.13 L1.1@1689.37,1824.13 ; 1689.37,1625 L1.1@1689.37,1824.13 ; 1689.37,1625 1699.37,1635 1699.37,1814.13 L1.1@1689.37,1824.13
  Top Layer w25: F3.2@1654.41,1700 L1.1@1654.41,1831.06
  Bottom Layer w20: 1637.01,1545 1636.27,1545.74 ; v1@1649.37,1572.64 1649.37,1558.84 ; v1@1478.74,1560 1622.01,1560 ; v1@1478.74,1560 v1(1474.37,1560) 1474.37,1540 1494.05,1520.31 1624.68,1520.31 1649.37,1545 ; v1@1478.74,1560 v1@1493.74,1545 ; v1@1493.74,1545 1503.74,1535 1625.53,1535 1636.27,1545.74 ; v1@1493.74,1545 1607.01,1545 1607.75,1545.74 ; 1607.75,1545.74 1622.01,1560 ; 1607.75,1545.74 1636.27,1545.74 ; 1622.01,1560 1632.01,1570 ; 1622.01,1560 1636.27,1545.74 ; 1632.01,1570 v1(1642.01,1580) v1(1662.01,1600) 1662.01,1557.64 1649.37,1545 ; 1632.01,1570 1638.21,1570 1649.37,1558.84 ; 1636.27,1545.74 1649.37,1558.84 ; 1649.37,1545 1649.37,1558.84
  other v1: 1498.74,1535
KNEADPHASE: R31.1 TP29.1 U5.20 | length 239.4
  Top Layer w12: U5.20@1529.65,1229.53 1529.65,1160.35 R31.1@1650,1040
KNEADRESET: R34.1 TP32.1 U5.16 U5.17 | length 357.9
  Top Layer w12: R34.1@1338.73,1044.96 1338.73,1084.36 1427.28,1172.91 ; 1427.28,1172.91 1440,1185.63 ; 1427.28,1172.91 U5.16@1427.28,1229.53 1440,1229.53 ; 1440,1185.63 1452.87,1198.5 U5.17@1452.87,1229.53 1440,1229.53 ; 1440,1185.63 1440,1229.53
MASSAGE_CONTROL: R27.2 TP18.1 U4.1 | length 254.5
  Top Layer w12: R27.2@1759.37,485 1794.37,485 1829.37,520 U4.1@1829.37,690
MASSAGE_RX: C24.2 R25.2 U4.3 | length 388.6
  Top Layer w12: R25.2@1759.37,415 C24.2@1839.37,415 1900.55,476.18 1900.55,573.82 1880.55,593.82 U4.3@1880.55,690
MASSAGE_TX: C23.1 R26.2 U4.2 | length 320.2
  Top Layer w12: C23.1@1758.93,623.82 R26.2@1758.93,554.25 v1(1793.62,554.25) ; U4.2@1854.96,690 1854.96,569.41 v1(1869.37,555)
  Bottom Layer w12: v1@1794.37,555 v1(1869.37,555)
NetC1_1: C1.1 R6.2 R14.1 | length 140
  Top Layer w15: R6.2@1139.37,415 C1.1@1139.37,480 R14.1@1139.37,555
NetC3_2: C3.2 R5.2 R15.1 | length 135
  Top Layer w15: R5.2@939.37,415 C3.2@939.37,480 R15.1@939.37,550
NetC5_1: C5.1 C6.1 R23.2 U3.1 | length 423.2
  Top Layer w40: R23.2@240,835.79 U3.1@663.21,835.79
NetC14_1: C14.1 R39.2 U5.6 U5.9 | length 1075.9
  Top Layer w12: R39.2@1441.19,1653.18 1489.37,1605 ; R39.2@1441.19,1668.18 1489.37,1620 ; R39.2@1441.19,1680.21 1489.37,1632.03 1489.37,1620 ; U5.9@1529.65,1450 1529.65,1564.72 1489.37,1605 ; U5.6@1606.42,1450 v1(1606.42,1607.95) ; 1489.37,1605 1489.37,1620
  Top Layer w20: C14.1@1319.37,1680 R39.2@1440.97,1680
  Bottom Layer w20: R39.2@1441.19,1663.18 1508.46,1595.91 1594.37,1595.91 v1(1606.42,1607.95) 1513.45,1607.95 R39.2@1441.19,1680.21
NetC17_1: C17.1 L3.1 U5.4 | length 521.9
  Top Layer w12: U5.4@1657.6,1450 1657.6,1520 ; C17.1@1744.37,1620 1704.37,1580 ; C17.1@1749.37,1611.77 1657.6,1520 ; 1756.87,1647.5 1704.37,1595 1704.37,1580 ; 1657.6,1520 1657.6,1533.23 1704.37,1580
  Top Layer w40: C17.1@1749.37,1620 1814.37,1685 L3.1@1814.37,1690
NetC17_2: C17.2 U5.3 | length 151.2
  Top Layer w12: U5.3@1683.19,1450 1683.19,1498.82 1724.37,1540 ; C17.2@1739.37,1540 1724.37,1540 ; C17.2@1749.37,1550 1734.37,1550 1724.37,1540
NetC18_1: C18.1 U5.2 | length 142.9
  Top Layer w12: U5.2@1708.78,1450 1708.78,1488.3 1730.48,1510 C18.1@1804.37,1510
NetC18_2: C18.2 U5.1 | length 60
  Top Layer w12: U5.1@1734.37,1450 C18.2@1794.37,1450
NetC22_1: C22.1 L4.2 R42.1 U5.23 U5.24 U5.25 U5.26 U5.27 | length 1020.8
  Top Layer w12: U5.23@1606.42,1229.53 U5.24@1632.01,1229.53 U5.25@1657.6,1229.53 U5.26@1683.19,1229.53 U5.27@1708.78,1229.53
  Top Layer w15: C22.1@1229.37,1130 L4.2@1229.37,1230 R42.1@1229.37,1346.1 ; U5.24@1632.01,1229.53 1632.01,1197.36 1644.8,1184.57 ; 1644.8,1224.96 1644.8,1184.57 ; U5.25@1657.6,1229.53 v1(1657.6,1171.77) ; 1670.83,1225.98 1670.83,1185 ; U5.26@1683.19,1229.53 1683.19,1197.36 1670.83,1185 ; 1644.8,1184.57 v1(1657.6,1171.77) ; v1(1657.6,1171.77) 1670.83,1185
  Bottom Layer w15: v1(1231.14,1171.77) v1(1657.6,1171.77)
NetCN4_1: CN4.1 D1.K M1.D TP12.1 | length 486.9
  Top Layer w60: CN4.1@2179.37,2395 D1.K@2179.37,2095 2179.37,1966.89 2203.37,1942.89 M1.D@2203.37,1918
NetCN10_1: CN10.1 L1.3 | length 849.5
  Top Layer w60: CN10.1@1410.91,2361.54 1410.91,2193.15 1499.13,2104.92 1550.31,2104.92 1465.73,2189.51 ; CN10.1@1439.37,2390 1439.37,2215.87 1465.73,2189.51 ; CN10.1@1465.73,2363.64 1465.73,2189.51
NetCN10_3: CN10.3 L1.4 | length 851.4
  Top Layer w60: CN10.3@1731.44,2370.26 1731.44,2167.93 ; CN10.3@1751.18,2390 1751.18,2187.68 1731.44,2167.93 ; CN10.3@1774.37,2366.81 1774.37,2170 1709.29,2104.92 1668.43,2104.92 1731.44,2167.93
NetCN11_1: CN11.1 R35.1 R38.1 | length 289.7
  Top Layer w15: CN11.1@2239.37,165 2239.37,249.37 2289.37,299.37 R38.1@2289.37,335 R35.1@2359.37,405
NetCN11_2: CN11.2 R36.1 R37.1 | length 277.5
  Top Layer w15: CN11.2@2339.37,165 2339.37,191.89 2430,282.52 R37.1@2430,335 R36.1@2500,335
NetCN15_1: CN15.1 F2.1 | length 270
  Top Layer w40: CN15.1@3009.37,845 F2.1@3279.37,845
NetF1_2: F1.2 M1.S | length 319.2
  Top Layer w60: F1.2@2039.37,2105 2039.37,1889 M1.S@2112.37,1816